# KiCad board nyx.kicad_pcb (continued)
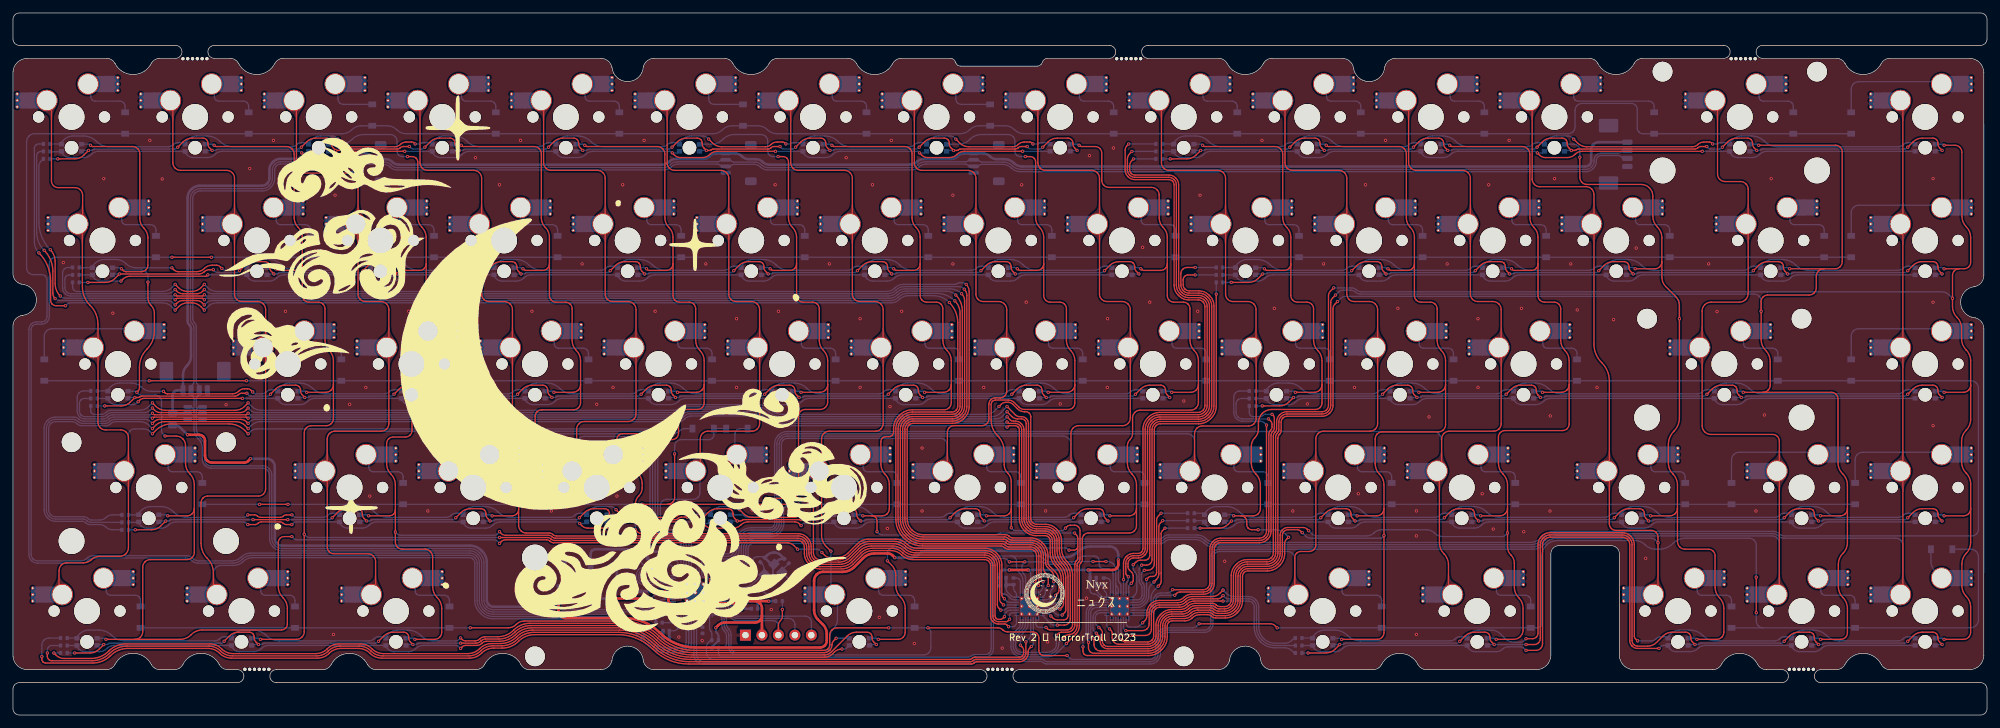
[diagram p0: board, top side]
## Routing (per net, layer and track width the routed paths; a pad name or vN(x,y) marks a point on that pad's centre or on a via; arc(x,y) is an arc through that point) (continued)
  Bottom w0.2: U4.20 167,16.57 arc(166.68,16.51) 166.4,16.32 166.4,16.32 arc(166.22,16.05) 166.15,15.72 166.15,12.58 arc(166.21,12.3) 166.37,12.05 v1(166.65,11.77) ; v1(226.26,30.72) 226.17,30.81 arc(226.09,30.87) 225.99,30.89 LED55.1 ; LED64.1 228.38,11.84 arc(228.47,11.82) 228.55,11.76 v1(228.64,11.67) ; LED42.1 235.52,49.94 arc(235.61,49.92) 235.7,49.86 v1(235.79,49.77) ; v1(231.03,68.82) 230.93,68.91 arc(230.85,68.97) 230.76,68.99 LED27.1 ; LED12.1 221.23,88.04 arc(221.33,88.02) 221.41,87.96 v1(221.5,87.87) ; v1(230.4,28.07) 230.07,27.74 arc(229.83,27.58) 229.54,27.52 220.42,27.52 arc(219.76,27.66) 219.19,28.03 219.16,28.06 arc(218.59,28.44) 217.93,28.57 210.96,28.57 arc(210.35,28.45) 209.83,28.1 209.82,28.09 arc(209.3,27.74) 208.69,27.62 201.07,27.62 arc(200.59,27.72) 200.18,27.99 v1(199.75,28.42)
SW4_1: length 194.6
  Top w0.2: 77.95,31.74 77.95,29.25 arc(78.04,28.81) 78.29,28.44 78.31,28.41 arc(78.69,28.16) 79.13,28.07 82.69,28.07 arc(82.98,28.02) 83.22,27.85 83.23,27.84 arc(83.47,27.68) 83.76,27.62 121.03,27.62 arc(121.64,27.5) 122.16,27.15 122.23,27.09 arc(122.58,26.57) 122.7,25.95 122.7,24.97 arc(122.82,24.34) 123.18,23.8 123.27,23.72 arc(123.8,23.36) 124.43,23.23 127.44,23.23 arc(128.39,23.42) 129.21,23.97 130.57,25.33 arc(131.38,25.88) 132.34,26.07 135.63,26.07 arc(136.53,25.89) 137.3,25.38 137.31,25.36 arc(138.08,24.85) 138.98,24.67 149.82,24.67 arc(150.39,24.56) 150.88,24.23 150.96,24.15 arc(151.28,23.66) 151.4,23.09 151.4,15.27 arc(151.44,15.08) 151.55,14.92 151.57,14.89 arc(151.74,14.78) 151.93,14.75 152.22,14.75 arc(152.41,14.78) 152.57,14.89 v1(152.85,15.17) ; 77.95,31.74 77.95,35.52 arc(77.77,36.4) 77.28,37.15 77.27,37.15 arc(76.78,37.89) 76.6,38.78 76.6,41.86 arc(76.68,42.24) 76.89,42.57 76.91,42.58 arc(77.23,42.8) 77.61,42.87 79.49,42.87 arc(79.87,42.95) 80.19,43.17 80.21,43.18 arc(80.42,43.5) 80.5,43.89 80.5,46.06 arc(80.58,46.44) 80.79,46.77 80.81,46.78 arc(81.13,47) 81.51,47.07 86.39,47.07 arc(86.82,47.16) 87.17,47.39 87.18,47.4 arc(87.42,47.76) 87.5,48.18 87.5,50.95 ; 77.95,31.74 arc(77.87,31.35) 77.66,31.03 77.64,31.02 arc(77.32,30.8) 76.94,30.72 v1(73.86,30.72) ; 82.7,69.59 82.7,73.7 arc(82.54,74.51) 82.08,75.19 82.07,75.21 arc(81.61,75.89) 81.45,76.69 81.45,86.57 arc(81.37,86.99) 81.13,87.34 81.12,87.35 arc(80.77,87.59) 80.34,87.67 69.44,87.67 arc(69.31,87.7) 69.2,87.77 v1(69.1,87.87) ; 82.7,69.59 82.7,64.69 arc(82.78,64.3) 82.99,63.98 83.01,63.97 arc(83.33,63.75) 83.71,63.67 85.19,63.67 arc(85.57,63.6) 85.89,63.38 85.91,63.37 arc(86.12,63.04) 86.2,62.66 86.2,57.78 arc(86.37,56.94) 86.84,56.23 86.86,56.22 arc(87.33,55.5) 87.5,54.66 87.5,50.95 ; 82.7,69.59 arc(82.62,69.2) 82.41,68.88 82.39,68.87 arc(82.07,68.65) 81.69,68.57 79.02,68.57 arc(78.89,68.6) 78.77,68.67 v1(78.63,68.82) ; 87.5,50.95 arc(87.41,50.51) 87.16,50.14 87.14,50.11 arc(86.76,49.86) 86.32,49.77 v1(83.39,49.77)
  Bottom w0.2: LED47.1 73.59,30.89 arc(73.69,30.87) 73.77,30.81 v1(73.86,30.72) ; U2.19 153.77,16.17 arc(153.43,16.1) 153.14,15.91 153.11,15.89 arc(152.92,15.59) 152.85,15.25 v1(152.85,15.17) ; LED34.1 83.12,49.94 arc(83.21,49.92) 83.3,49.86 v1(83.39,49.77) ; LED4.1 68.83,88.04 arc(68.93,88.02) 69.01,87.96 v1(69.1,87.87) ; LED19.1 78.36,68.99 arc(78.45,68.97) 78.53,68.91 v1(78.63,68.82)
SW4_2: length 260.9
  Top w0.2: 256.6,31.9 256.6,26.75 arc(256.69,26.31) 256.94,25.94 256.96,25.91 arc(257.34,25.66) 257.78,25.57 261.39,25.57 arc(261.77,25.5) 262.09,25.28 262.11,25.27 arc(262.32,24.94) 262.4,24.56 262.4,19.73 arc(262.58,18.84) 263.07,18.1 263.08,18.1 arc(263.57,17.35) 263.75,16.47 263.75,12.78 arc(263.67,12.36) 263.43,12 263.42,11.99 arc(263.07,11.76) 262.64,11.67 v1(259.6,11.67) ; 256.6,31.9 256.6,35.5 arc(256.42,36.4) 255.91,37.16 255.89,37.18 arc(255.38,37.95) 255.2,38.85 255.2,41.72 arc(255.42,42.83) 256.05,43.77 arc(256.68,44.71) 256.9,45.82 v1(256.9,61.12) 256.9,63.14 arc(256.75,63.91) 256.31,64.56 254.79,66.09 arc(254.35,66.74) 254.2,67.5 254.2,69.93 ; 256.6,31.9 arc(256.51,31.46) 256.26,31.09 256.24,31.06 arc(255.86,30.81) 255.42,30.72 v1(252.46,30.72) ; v1(167,12.62) 167.38,12.24 arc(167.54,12) 167.6,11.71 167.6,11.38 arc(167.68,10.96) 167.92,10.6 167.98,10.55 arc(168.33,10.31) 168.75,10.22 174.99,10.22 arc(175.68,10.36) 176.27,10.75 176.37,10.85 arc(176.76,11.44) 176.9,12.13 176.9,13.82 arc(177.02,14.45) 177.38,14.99 177.49,15.09 arc(178.02,15.45) 178.65,15.58 180.26,15.58 arc(180.87,15.7) 181.39,16.04 181.4,16.06 arc(181.92,16.4) 182.53,16.53 184.61,16.53 arc(184.93,16.46) 185.21,16.28 185.21,16.27 arc(185.49,16.09) 185.81,16.02 186.83,16.02 arc(187.44,16.15) 187.96,16.49 188.03,16.56 arc(188.38,17.08) 188.5,17.7 188.5,21.46 arc(188.63,22.11) 189,22.66 189.11,22.78 arc(189.66,23.14) 190.31,23.27 193.33,23.27 arc(193.94,23.4) 194.46,23.74 194.53,23.81 arc(194.88,24.33) 195,24.94 195,42.71 arc(195.06,43.01) 195.23,43.27 195.26,43.3 arc(195.44,43.56) 195.5,43.87 195.5,45.16 arc(195.57,45.5) 195.76,45.8 195.78,45.81 arc(196.07,46.01) 196.41,46.07 201.83,46.07 arc(202.44,46.2) 202.96,46.54 203.03,46.61 arc(203.38,47.13) 203.5,47.75 203.5,62.66 arc(203.58,63.04) 203.79,63.36 v1(204.2,63.77) ; v1(241.55,86.02) 241.55,82.93 arc(241.63,82.51) 241.87,82.15 arc(242.23,81.91) 242.65,81.83 251.02,81.83 arc(251.69,81.69) 252.26,81.31 252.29,81.28 arc(252.67,80.72) 252.8,80.05 252.8,76.95 arc(252.98,76.05) 253.49,75.28 253.51,75.26 arc(254.02,74.5) 254.2,73.6 254.2,69.93 ; 254.2,69.93 arc(254.12,69.51) 253.88,69.15 253.87,69.14 arc(253.52,68.91) 253.09,68.82 v1(250.08,68.82)
  Bottom w0.2: LED56.1 252.19,30.89 arc(252.28,30.87) 252.36,30.81 v1(252.46,30.72) ; LED65.1 259.33,11.84 arc(259.43,11.82) 259.51,11.76 v1(259.6,11.67) ; v1(204.2,63.77) 204.63,64.21 arc(205.04,64.48) 205.52,64.57 255.79,64.57 arc(256.22,64.49) 256.57,64.25 256.58,64.24 arc(256.82,63.89) 256.9,63.47 v1(256.9,61.12) ; LED28.1 249.81,68.99 arc(249.9,68.97) 249.98,68.91 v1(250.08,68.82) ; v1(167,12.62) 166.65,12.98 arc(166.54,13.14) 166.5,13.33 166.5,15.03 arc(166.58,15.43) 166.81,15.77 166.9,15.86 arc(167.24,16.09) 167.64,16.17 U4.19 ; v1(241.55,86.02) 241.55,87.08 arc(241.48,87.44) 241.27,87.75 241.26,87.76 arc(240.95,87.97) 240.59,88.04 LED13.1
SW5_1: length 243
  Top w0.2: v1(64.34,49.77) 67.32,49.77 arc(67.76,49.86) 68.14,50.11 68.16,50.14 arc(68.41,50.51) 68.5,50.95 ; v1(54.81,30.72) 58.03,30.72 arc(58.37,30.79) 58.66,30.99 58.69,31.01 arc(58.88,31.3) 58.95,31.65 ; 63.7,69.59 63.7,73.66 arc(63.53,74.5) 63.06,75.22 63.04,75.23 arc(62.57,75.94) 62.4,76.78 62.4,85.29 arc(62.34,85.6) 62.16,85.86 62.13,85.89 arc(61.87,86.06) 61.57,86.12 v1(60.8,86.12) ; 63.7,69.59 63.7,64.69 arc(63.78,64.3) 63.99,63.98 64.01,63.97 arc(64.33,63.75) 64.71,63.67 66.19,63.67 arc(66.57,63.6) 66.89,63.38 66.91,63.37 arc(67.12,63.04) 67.2,62.66 67.2,57.78 arc(67.37,56.94) 67.84,56.23 67.86,56.22 arc(68.33,55.5) 68.5,54.66 68.5,50.95 ; 63.7,69.59 arc(63.62,69.2) 63.41,68.88 63.39,68.87 arc(63.07,68.65) 62.69,68.57 59.97,68.57 arc(59.84,68.6) 59.72,68.67 v1(59.58,68.82) ; 68.5,50.95 68.5,48.18 arc(68.42,47.76) 68.18,47.4 68.17,47.39 arc(67.82,47.16) 67.39,47.07 62.53,47.07 arc(62.15,47) 61.82,46.78 61.81,46.77 arc(61.59,46.44) 61.51,46.06 61.51,43.89 arc(61.44,43.5) 61.22,43.18 61.21,43.17 arc(60.88,42.95) 60.5,42.87 58.61,42.87 arc(58.23,42.8) 57.91,42.58 57.89,42.57 arc(57.68,42.24) 57.6,41.86 57.6,38.78 arc(57.78,37.89) 58.27,37.15 58.28,37.15 arc(58.77,36.4) 58.95,35.52 58.95,31.65 ; v1(153.65,14.77) 153.38,14.5 arc(153.26,14.42) 153.13,14.4 151.91,14.4 arc(151.6,14.46) 151.34,14.63 151.28,14.69 arc(151.11,14.95) 151.05,15.25 151.05,23.07 arc(150.96,23.53) 150.7,23.92 150.65,23.97 arc(150.26,24.23) 149.8,24.32 138.83,24.32 arc(137.93,24.5) 137.17,25.01 137.15,25.03 arc(136.39,25.54) 135.49,25.72 132.49,25.72 arc(131.53,25.53) 130.72,24.98 129.35,23.62 arc(128.54,23.08) 127.58,22.88 124.41,22.88 arc(123.67,23.03) 123.03,23.46 122.92,23.57 arc(122.5,24.2) 122.35,24.95 122.35,25.93 arc(122.25,26.43) 121.97,26.85 121.93,26.89 arc(121.51,27.17) 121.01,27.27 83.62,27.27 arc(83.33,27.33) 83.09,27.49 83.07,27.5 arc(82.83,27.67) 82.54,27.72 75.96,27.72 arc(75.58,27.8) 75.26,28.02 v1(75,28.27) ; v1(61.96,11.67) 64.99,11.67 arc(65.42,11.76) 65.77,11.99 65.78,12 arc(66.02,12.36) 66.1,12.78 66.1,16.45 arc(65.92,17.35) 65.41,18.11 65.39,18.13 arc(64.88,18.9) 64.7,19.8 64.7,24.4 arc(64.61,24.84) 64.36,25.21 64.34,25.24 arc(63.96,25.48) 63.52,25.57 60.06,25.57 arc(59.63,25.66) 59.28,25.89 59.27,25.9 arc(59.03,26.26) 58.95,26.68 v1(58.95,28.22) 58.95,31.65
  Bottom w0.2: LED18.1 59.31,68.99 arc(59.4,68.97) 59.48,68.91 v1(59.58,68.82) ; v1(153.65,14.77) 153.65,15.36 arc(153.68,15.51) 153.77,15.64 153.78,15.66 arc(153.91,15.74) 154.07,15.77 U2.18 ; v1(58.95,28.22) 59.23,27.94 arc(59.47,27.78) 59.76,27.72 74.14,27.72 arc(74.43,27.78) 74.67,27.94 v1(75,28.27) ; v1(64.34,49.77) 64.25,49.86 arc(64.16,49.92) 64.07,49.94 LED33.1 ; LED3.1 50.5,88.04 arc(51.46,88.23) 52.27,88.77 52.29,88.79 arc(53.1,89.33) 54.06,89.52 58.19,89.52 arc(58.57,89.45) 58.89,89.23 58.91,89.22 arc(59.12,88.89) 59.2,88.51 59.2,86.97 arc(59.26,86.65) 59.45,86.37 59.45,86.37 arc(59.73,86.19) 60.05,86.12 v1(60.8,86.12) ; v1(54.81,30.72) 54.72,30.81 arc(54.64,30.87) 54.54,30.89 LED46.1 ; v1(61.96,11.67) 61.86,11.76 arc(61.78,11.82) 61.69,11.84 LED61.1
SW5_2: length 295.7
  Top w0.2: v1(203.9,64.77) 203.44,64.31 arc(203.23,63.99) 203.15,63.61 203.15,47.77 arc(203.05,47.27) 202.77,46.85 202.73,46.8 arc(202.3,46.52) 201.81,46.42 196.39,46.42 arc(195.93,46.33) 195.54,46.07 195.5,46.03 arc(195.24,45.64) 195.15,45.18 195.15,44.01 arc(195.09,43.71) 194.91,43.45 194.88,43.42 arc(194.71,43.16) 194.65,42.85 194.65,24.96 arc(194.55,24.47) 194.27,24.05 194.23,24 arc(193.8,23.72) 193.31,23.62 190.29,23.62 arc(189.52,23.47) 188.88,23.04 188.74,22.9 arc(188.3,22.25) 188.15,21.48 188.15,17.72 arc(188.05,17.22) 187.77,16.8 187.73,16.75 arc(187.3,16.47) 186.81,16.37 185.96,16.37 arc(185.63,16.44) 185.36,16.62 185.35,16.63 arc(185.08,16.81) 184.75,16.88 182.39,16.88 arc(181.78,16.75) 181.26,16.41 181.24,16.39 arc(180.72,16.05) 180.11,15.92 178.63,15.92 arc(177.89,15.78) 177.25,15.35 177.12,15.22 arc(176.7,14.59) 176.55,13.84 176.55,12.15 arc(176.43,11.57) 176.11,11.09 176.03,11.01 arc(175.55,10.69) 174.97,10.57 168.78,10.57 arc(168.47,10.63) 168.21,10.81 168.18,10.83 arc(168.01,11.09) 167.95,11.4 167.95,12.66 arc(167.89,12.95) 167.73,13.19 v1(167.4,13.52) ; 279.18,68.82 280.89,68.82 arc(281.32,68.91) 281.67,69.14 281.68,69.15 arc(281.92,69.51) 282,69.93 282,86.86 arc(281.92,87.24) 281.71,87.57 281.69,87.58 arc(281.37,87.8) 280.99,87.87 v1(269.13,87.87) ; 279.18,68.82 v1(273.89,68.82) ; 279.18,68.82 arc(278.74,68.73) 278.36,68.49 278.34,68.46 arc(278.09,68.09) 278,67.65 278,65.88 arc(277.92,65.46) 277.68,65.1 277.67,65.09 arc(277.32,64.86) 276.89,64.77 270.51,64.77 arc(270.13,64.7) 269.81,64.48 269.79,64.47 arc(269.58,64.14) 269.5,63.76 v1(269.5,62.27) 269.5,57.9 arc(269.68,57) 270.19,56.23 270.21,56.21 arc(270.72,55.45) 270.9,54.55 270.9,50.88 arc(270.82,50.46) 270.58,50.1 270.57,50.09 arc(270.22,49.86) 269.79,49.77 ; v1(278.65,11.67) 281.79,11.67 arc(282.17,11.75) 282.49,11.97 282.51,11.98 arc(282.72,12.3) 282.8,12.69 282.8,16.45 arc(282.62,17.35) 282.11,18.11 282.09,18.13 arc(281.58,18.9) 281.4,19.8 281.4,23.25 arc(281.58,24.15) 282.09,24.91 282.11,24.93 arc(282.62,25.7) 282.8,26.6 282.8,31.83 ; 269.79,49.77 280.34,49.77 arc(280.72,49.7) 281.04,49.48 281.06,49.47 arc(281.27,49.14) 281.35,48.76 281.35,38.94 arc(281.54,38) 282.07,37.2 282.08,37.19 arc(282.61,36.4) 282.8,35.46 282.8,31.83 ; 269.79,49.77 v1(266.74,49.77) ; v1(278.65,30.72) 281.69,30.72 arc(282.12,30.81) 282.47,31.04 282.48,31.05 arc(282.72,31.41) 282.8,31.83
  Bottom w0.2: v1(269.5,62.27) 269.5,63.82 arc(269.42,64.24) 269.18,64.59 269.17,64.6 arc(268.82,64.84) 268.39,64.92 207.67,64.92 arc(207.29,65) 206.96,65.21 206.95,65.23 arc(206.62,65.45) 206.24,65.52 205.06,65.52 arc(204.68,65.45) 204.36,65.23 v1(203.9,64.77) ; LED66.1 278.38,11.84 arc(278.48,11.82) 278.56,11.76 v1(278.65,11.67) ; v1(269.13,87.87) 269.03,87.96 arc(268.95,88.02) 268.86,88.04 LED14.1 ; v1(266.74,49.77) 266.65,49.86 arc(266.57,49.92) 266.48,49.94 LED43.1 ; U4.18 167.61,15.77 arc(167.32,15.72) 167.08,15.55 167.07,15.54 arc(166.91,15.3) 166.85,15.01 166.85,14.38 arc(166.91,14.1) 167.07,13.85 v1(167.4,13.52) ; v1(273.89,68.82) 273.8,68.91 arc(273.71,68.97) 273.62,68.99 LED29.1 ; v1(278.65,30.72) 278.56,30.81 arc(278.48,30.87) 278.38,30.89 LED57.1
SW6_1: length 241.2
  Top w0.2: 49.4,50.95 49.4,54.66 arc(49.23,55.5) 48.76,56.22 48.74,56.23 arc(48.27,56.94) 48.1,57.78 48.1,62.66 arc(48.02,63.04) 47.81,63.37 47.79,63.38 arc(47.47,63.6) 47.09,63.67 45.61,63.67 arc(45.23,63.75) 44.91,63.97 44.89,63.98 arc(44.68,64.3) 44.6,64.69 44.6,69.59 ; 49.4,50.95 49.4,45.73 arc(49.32,45.31) 49.08,44.95 49.07,44.94 arc(48.72,44.71) 48.29,44.62 46.01,44.62 arc(45.58,44.54) 45.23,44.3 45.22,44.29 arc(44.98,43.94) 44.9,43.52 v1(44.9,27.87) 44.9,12.85 arc(44.81,12.41) 44.56,12.04 44.54,12.01 arc(44.16,11.76) 43.72,11.67 v1(38.14,11.67) ; 49.4,50.95 arc(49.31,50.51) 49.06,50.14 49.04,50.11 arc(48.66,49.86) 48.22,49.77 v1(45.29,49.77) ; v1(75,27.37) 82.4,27.37 arc(82.69,27.32) 82.93,27.15 82.94,27.14 arc(83.19,26.98) 83.47,26.92 96,26.92 120.99,26.92 arc(121.37,26.85) 121.7,26.63 121.71,26.62 arc(121.92,26.3) 122,25.91 122,24.93 arc(122.17,24.07) 122.66,23.34 122.8,23.19 arc(123.53,22.71) 124.39,22.54 127.73,22.54 arc(128.68,22.73) 129.5,23.27 130.86,24.64 arc(131.67,25.18) 132.63,25.37 135.34,25.37 arc(136.24,25.19) 137.01,24.68 137.02,24.66 arc(137.79,24.15) 138.69,23.97 149.78,23.97 arc(150.12,23.9) 150.41,23.71 150.44,23.69 arc(150.63,23.39) 150.7,23.05 150.7,15.23 arc(150.78,14.81) 151.02,14.46 151.11,14.37 arc(151.46,14.13) 151.89,14.05 152.87,14.05 arc(153.06,14.01) 153.22,13.9 v1(153.5,13.62) ; v1(31,87.87) 31.1,87.77 arc(31.21,87.7) 31.34,87.67 42.17,87.67 arc(42.61,87.58) 42.99,87.34 43.01,87.31 arc(43.26,86.94) 43.35,86.5 43.35,76.69 arc(43.51,75.89) 43.97,75.21 43.98,75.19 arc(44.44,74.51) 44.6,73.7 44.6,69.59 ; 44.6,69.59 arc(44.52,69.2) 44.31,68.88 44.29,68.87 arc(43.97,68.65) 43.59,68.57 40.92,68.57 arc(40.79,68.6) 40.67,68.67 v1(40.53,68.82)
  Bottom w0.2: v1(44.9,27.87) 45.18,27.59 arc(45.42,27.43) 45.71,27.37 v1(75,27.37) ; v1(45.29,49.77) 45.2,49.86 arc(45.11,49.92) 45.02,49.94 LED32.1 ; v1(40.53,68.82) 40.43,68.91 arc(40.35,68.97) 40.26,68.99 LED17.1 ; LED60.1 37.88,11.84 arc(37.97,11.82) 38.05,11.76 v1(38.14,11.67) ; U2.17 154.7,14.2 arc(154.66,13.99) 154.54,13.81 154.51,13.78 arc(154.33,13.66) 154.12,13.62 v1(153.5,13.62) ; LED2.1 30.73,88.04 arc(30.83,88.02) 30.91,87.96 v1(31,87.87)
SW6_2: length 289.2
  Top w0.2: v1(203.6,65.87) 203.09,65.37 arc(202.88,65.04) 202.8,64.66 202.8,47.79 arc(202.72,47.4) 202.51,47.08 202.49,47.07 arc(202.17,46.85) 201.79,46.77 196.37,46.77 arc(195.8,46.66) 195.31,46.33 195.24,46.26 arc(194.91,45.77) 194.8,45.2 194.8,44.16 arc(194.74,43.85) 194.56,43.59 194.53,43.56 arc(194.36,43.3) 194.3,43 194.3,24.99 arc(194.22,24.6) 194.01,24.28 193.99,24.27 arc(193.67,24.05) 193.29,23.97 190.27,23.97 arc(189.39,23.8) 188.64,23.3 188.47,23.13 arc(187.98,22.38) 187.8,21.5 187.8,17.74 arc(187.72,17.35) 187.51,17.03 187.49,17.02 arc(187.17,16.8) 186.79,16.72 186.1,16.72 arc(185.78,16.79) 185.5,16.97 185.5,16.98 arc(185.22,17.16) 184.9,17.23 182.24,17.23 arc(181.63,17.1) 181.11,16.76 181.1,16.74 arc(180.58,16.4) 179.97,16.27 178.61,16.27 arc(177.75,16.1) 177.02,15.62 176.86,15.45 arc(176.37,14.72) 176.2,13.86 176.2,12.17 arc(176.11,11.71) 175.85,11.32 175.8,11.27 arc(175.41,11.01) 174.95,10.92 170.46,10.92 arc(170.08,11) 169.76,11.22 169.74,11.23 arc(169.53,11.55) 169.45,11.94 169.45,12.67 arc(169.41,12.86) 169.3,13.02 v1(169.05,13.27) ; v1(297.7,49.77) 300.69,49.77 arc(301.12,49.86) 301.47,50.09 301.48,50.1 arc(301.72,50.46) 301.8,50.88 ; v1(297.7,87.87) 299.37,87.87 arc(299.77,87.79) 300.11,87.56 300.14,87.53 arc(300.37,87.19) 300.45,86.79 300.45,76.93 arc(300.63,76.04) 301.12,75.3 301.13,75.3 arc(301.62,74.55) 301.8,73.67 301.8,69.84 arc(301.72,69.45) 301.51,69.13 301.49,69.12 arc(301.17,68.9) 300.79,68.82 300.01,68.82 ; 300.01,68.82 v1(297.7,68.82) ; 300.01,68.82 arc(299.63,68.75) 299.31,68.53 299.29,68.52 arc(299.08,68.19) 299,67.81 v1(299,64.27) 299,63 arc(299.18,62.1) 299.69,61.33 299.71,61.31 arc(300.22,60.55) 300.4,59.65 300.4,58 arc(300.58,57.1) 301.09,56.33 301.11,56.31 arc(301.62,55.55) 301.8,54.65 301.8,50.88 ; 301.8,50.88 301.8,45.6 arc(301.62,44.7) 301.11,43.93 301.09,43.91 arc(300.58,43.15) 300.4,42.25 300.4,39 arc(300.58,38.1) 301.09,37.33 301.11,37.31 arc(301.62,36.55) 301.8,35.65 301.8,31.83 ; v1(297.7,11.67) 300.69,11.67 arc(301.12,11.76) 301.47,11.99 301.48,12 arc(301.72,12.36) 301.8,12.78 301.8,16.67 arc(301.62,17.55) 301.13,18.3 301.12,18.3 arc(300.63,19.04) 300.45,19.93 300.45,23.32 arc(300.63,24.2) 301.12,24.95 301.13,24.95 arc(301.62,25.69) 301.8,26.58 301.8,31.83 ; 301.8,31.83 arc(301.72,31.41) 301.48,31.05 301.47,31.04 arc(301.12,30.81) 300.69,30.72 v1(297.7,30.72)
  Bottom w0.2: v1(297.7,68.82) 297.61,68.91 arc(297.53,68.97) 297.43,68.99 LED30.1 ; v1(297.7,49.77) 297.61,49.86 arc(297.53,49.92) 297.43,49.94 LED44.1 ; v1(169.05,13.27) 168.75,13.58 arc(168.64,13.74) 168.6,13.93 U4.17 ; LED15.1 297.43,88.04 arc(297.53,88.02) 297.61,87.96 v1(297.7,87.87) ; LED67.1 297.43,11.84 arc(297.53,11.82) 297.61,11.76 v1(297.7,11.67) ; v1(299,64.27) 298.51,64.76 arc(297.94,65.14) 297.28,65.27 270.44,65.27 207.82,65.27 arc(207.43,65.35) 207.11,65.56 207.09,65.58 arc(206.77,65.8) 206.39,65.87 v1(203.6,65.87) ; v1(297.7,30.72) 297.61,30.81 arc(297.53,30.87) 297.43,30.89 LED58.1
SW7_1: length 143.8
  Top w0.2: 182.75,50.95 182.75,54.66 arc(182.58,55.5) 182.11,56.22 182.09,56.23 arc(181.62,56.94) 181.45,57.78 181.45,62.66 arc(181.37,63.04) 181.16,63.37 181.14,63.38 arc(180.82,63.6) 180.44,63.67 178.96,63.67 arc(178.58,63.75) 178.26,63.97 178.24,63.98 arc(178.03,64.3) 177.95,64.69 177.95,69.59 ; 182.75,50.95 182.75,48.22 arc(182.66,47.76) 182.4,47.37 arc(182.01,47.11) 181.55,47.02 173.77,47.02 arc(173.33,46.93) 172.96,46.68 172.94,46.66 arc(172.69,46.29) 172.6,45.85 172.6,43.43 arc(172.5,42.91) 172.2,42.48 172.2,42.47 arc(171.9,42.03) 171.8,41.51 171.8,38.85 arc(171.98,37.95) 172.49,37.18 172.51,37.16 arc(173.02,36.4) 173.2,35.5 173.2,31.83 ; 182.75,50.95 arc(182.66,50.51) 182.41,50.14 182.39,50.11 arc(182.01,49.86) 181.57,49.77 v1(178.64,49.77) ; 173.2,31.83 173.2,29.18 arc(173.12,28.76) 172.88,28.4 172.87,28.39 arc(172.52,28.16) 172.09,28.07 165.77,28.07 arc(165.43,28) 165.14,27.81 165.11,27.78 arc(164.92,27.49) 164.85,27.15 164.85,23.98 arc(164.79,23.7) 164.63,23.45 164.62,23.44 arc(164.45,23.2) 164.4,22.91 164.4,13.76 arc(164.26,13.08) 163.87,12.49 v1(162.4,11.02) ; 173.2,31.83 arc(173.12,31.41) 172.88,31.05 172.87,31.04 arc(172.52,30.81) 172.09,30.72 v1(169.11,30.72) ; 177.95,69.59 177.95,73.7 arc(177.79,74.51) 177.33,75.19 177.32,75.21 arc(176.86,75.89) 176.7,76.69 176.7,80.2 arc(176.61,80.64) 176.36,81.01 176.34,81.04 arc(175.96,81.29) 175.52,81.37 168.96,81.37 arc(168.53,81.46) 168.18,81.7 168.17,81.7 arc(167.93,82.06) 167.85,82.48 167.85,86.66 arc(167.77,87.04) 167.56,87.37 167.54,87.38 arc(167.22,87.6) 166.84,87.67 164.69,87.67 arc(164.56,87.7) 164.45,87.77 v1(164.35,87.87) ; 177.95,69.59 arc(177.87,69.2) 177.66,68.88 177.64,68.87 arc(177.32,68.65) 176.94,68.57 174.27,68.57 arc(174.14,68.6) 174.02,68.67 v1(173.88,68.82)
  Bottom w0.2: v1(169.11,30.72) 169.02,30.81 arc(168.94,30.87) 168.84,30.89 LED52.1 ; v1(162.4,11.02) 161.01,9.63 arc(160.28,9.14) 159.42,8.97 155.43,8.97 arc(154.86,9.09) 154.37,9.41 154.29,9.49 arc(153.97,9.98) 153.85,10.55 153.85,11.39 arc(154.01,12.19) 154.47,12.87 155.01,13.41 arc(155.22,13.74) 155.3,14.12 U2.16 ; LED9.1 164.08,88.04 arc(164.18,88.02) 164.26,87.96 v1(164.35,87.87) ; LED39.1 178.37,49.94 arc(178.46,49.92) 178.55,49.86 v1(178.64,49.77) ; LED24.1 173.61,68.99 arc(173.7,68.97) 173.78,68.91 v1(173.88,68.82)
SW8_1: length 154.1
  Top w0.2: v1(161.85,11.82) 162.16,12.13 arc(162.48,12.35) 162.86,12.42 162.89,12.42 arc(163.27,12.5) 163.6,12.72 163.61,12.72 arc(163.93,13.21) 164.05,13.78 164.05,23.06 arc(164.1,23.34) 164.27,23.59 164.28,23.6 arc(164.44,23.84) 164.5,24.13 164.5,28.44 arc(164.44,28.75) 164.26,29.01 164.23,29.04 arc(163.97,29.21) 163.67,29.27 163.01,29.27 arc(162.72,29.22) 162.48,29.05 v1(162.25,28.82) ; v1(156.05,86.12) 156.82,86.12 arc(157.12,86.06) 157.38,85.89 157.42,85.86 arc(157.59,85.6) 157.65,85.29 157.65,76.69 arc(157.81,75.89) 158.27,75.21 158.28,75.19 arc(158.74,74.51) 158.9,73.7 158.9,69.59 ; v1(154.83,68.82) 154.97,68.67 arc(155.09,68.6) 155.22,68.57 157.89,68.57 arc(158.27,68.65) 158.59,68.87 158.61,68.88 arc(158.82,69.2) 158.9,69.59 ; 163.7,50.95 163.7,54.66 arc(163.53,55.5) 163.06,56.22 163.04,56.23 arc(162.57,56.94) 162.4,57.78 162.4,62.66 arc(162.32,63.04) 162.11,63.37 162.09,63.38 arc(161.77,63.6) 161.39,63.67 159.91,63.67 arc(159.53,63.75) 159.21,63.97 159.19,63.98 arc(158.98,64.3) 158.9,64.69 158.9,69.59 ; 163.7,50.95 163.7,48.14 arc(163.62,47.75) 163.41,47.43 163.39,47.42 arc(163.07,47.2) 162.69,47.12 155.96,47.12 arc(155.48,47.22) 155.08,47.49 154.38,48.19 arc(153.95,48.47) 153.46,48.57 151.46,48.57 arc(151.21,48.52) 151,48.38 150.99,48.37 arc(150.85,48.16) 150.8,47.91 150.8,45.48 arc(151.06,44.18) 151.8,43.08 151.8,43.07 arc(152.54,41.97) 152.8,40.66 152.8,38.64 arc(152.94,37.93) 153.34,37.33 153.36,37.31 arc(153.76,36.71) 153.9,36.01 153.9,31.83 ; 163.7,50.95 arc(163.61,50.51) 163.36,50.14 163.34,50.11 arc(162.96,49.86) 162.52,49.77 v1(159.59,49.77) ; v1(150.06,30.72) 152.79,30.72 arc(153.22,30.81) 153.57,31.04 153.58,31.05 arc(153.82,31.41) 153.9,31.83 ; 153.9,31.83 v1(153.9,28.87)
  Bottom w0.2: v1(150.06,30.72) 149.97,30.81 arc(149.89,30.87) 149.79,30.89 LED51.1 ; U2.15 155.7,14.15 arc(155.6,13.65) 155.32,13.23 154.73,12.64 arc(154.34,12.05) 154.2,11.37 154.2,10.57 arc(154.29,10.12) 154.55,9.73 154.6,9.67 arc(154.99,9.41) 155.45,9.32 159.4,9.32 arc(160.14,9.47) 160.78,9.89 160.82,9.94 arc(161.1,10.36) 161.2,10.85 161.2,10.86 arc(161.26,11.15) 161.42,11.39 v1(161.85,11.82) ; v1(162.25,28.82) 162,28.57 arc(161.83,28.46) 161.64,28.42 154.56,28.42 arc(154.37,28.46) 154.2,28.57 v1(153.9,28.87) ; v1(156.05,86.12) 155.3,86.12 arc(154.98,86.19) 154.7,86.37 154.7,86.37 arc(154.51,86.65) 154.45,86.97 154.45,88.51 arc(154.37,88.89) 154.16,89.22 154.14,89.23 arc(153.82,89.45) 153.44,89.52 149.31,89.52 arc(148.35,89.33) 147.54,88.79 147.52,88.77 arc(146.71,88.23) 145.75,88.04 LED8.1 ; v1(154.83,68.82) 154.73,68.91 arc(154.65,68.97) 154.56,68.99 LED23.1 ; v1(159.59,49.77) 159.5,49.86 arc(159.41,49.92) 159.32,49.94 LED38.1
SW9_1: length 214.5
  Top w0.2: v1(133.2,28.27) 133.2,29.96 arc(133.14,30.25) 132.98,30.49 132.97,30.5 arc(132.73,30.67) 132.44,30.72 ; 132.44,30.72 133.99,30.72 arc(134.42,30.81) 134.77,31.04 134.78,31.05 arc(135.02,31.41) 135.1,31.83 135.1,35.56 arc(134.93,36.4) 134.46,37.12 134.44,37.13 arc(133.97,37.84) 133.8,38.68 133.8,42.16 arc(133.86,42.45) 134.02,42.69 134.03,42.7 arc(134.27,42.87) 134.56,42.92 135,42.92 arc(135.29,42.98) 135.53,43.14 arc(135.69,43.39) 135.75,43.67 135.75,44.18 arc(135.96,45.21) 136.54,46.09 136.74,46.29 arc(137.61,46.87) 138.65,47.08 143.55,47.08 arc(143.97,47.16) 144.33,47.4 144.33,47.4 arc(144.57,47.76) 144.65,48.18 144.65,50.95 ; 132.44,30.72 v1(131.01,30.72) ; 144.65,50.95 144.65,54.66 arc(144.48,55.5) 144.01,56.22 143.99,56.23 arc(143.52,56.94) 143.35,57.78 143.35,62.66 arc(143.27,63.04) 143.06,63.37 143.04,63.38 arc(142.72,63.6) 142.34,63.67 140.86,63.67 arc(140.48,63.75) 140.16,63.97 140.14,63.98 arc(139.93,64.3) 139.85,64.69 139.85,69.59 ; 144.65,50.95 arc(144.56,50.51) 144.31,50.14 144.29,50.11 arc(143.91,49.86) 143.47,49.77 v1(140.54,49.77) ; 139.85,69.59 139.85,73.7 arc(139.69,74.51) 139.23,75.19 139.22,75.21 arc(138.76,75.89) 138.6,76.69 138.6,86.57 arc(138.52,86.99) 138.28,87.34 138.27,87.35 arc(137.92,87.59) 137.49,87.67 126.59,87.67 arc(126.46,87.7) 126.35,87.77 v1(126.25,87.87) ; 139.85,69.59 arc(139.77,69.2) 139.56,68.88 139.54,68.87 arc(139.22,68.65) 138.84,68.57 136.17,68.57 arc(136.04,68.6) 135.92,68.67 v1(135.78,68.82) ; v1(134.8,23.77) 135.44,23.13 arc(135.93,22.4) 136.1,21.54 136.1,19.94 arc(136.29,19) 136.82,18.2 136.83,18.19 arc(137.36,17.4) 137.55,16.46 137.55,12.78 arc(137.47,12.36) 137.23,12 137.22,11.99 arc(136.87,11.76) 136.44,11.67 v1(133.39,11.67) ; 164.15,26 164.15,27.26 arc(164.09,27.55) 163.93,27.79 v1(163.65,28.07) ; 164.15,26 164.15,24.27 arc(164.09,23.99) 163.93,23.74 163.92,23.73 arc(163.75,23.49) 163.7,23.2 163.7,13.93 arc(163.61,13.51) 163.37,13.15 163.32,13.09 arc(162.96,12.86) 162.54,12.77 161.66,12.77 arc(161.37,12.72) 161.13,12.55 v1(160.85,12.27) ; 164.15,26 arc(164.11,25.79) 163.99,25.61 163.96,25.58 arc(163.78,25.46) 163.57,25.42 v1(162.8,25.42)
  Bottom w0.2: v1(140.54,49.77) 140.45,49.86 arc(140.36,49.92) 140.27,49.94 LED37.1 ; LED7.1 125.98,88.04 arc(126.08,88.02) 126.16,87.96 v1(126.25,87.87) ; U2.14 156.1,14.18 arc(155.98,13.57) 155.63,13.05 154.99,12.41 arc(154.66,11.92) 154.55,11.35 154.55,10.6 arc(154.62,10.25) 154.81,9.96 154.84,9.93 arc(155.13,9.74) 155.47,9.67 159.38,9.67 arc(160.01,9.8) 160.54,10.15 160.56,10.17 arc(160.77,10.49) 160.85,10.88 v1(160.85,12.27) ; v1(133.2,28.27) 133.48,27.99 arc(133.72,27.83) 134.01,27.77 151.49,27.77 arc(151.68,27.81) 151.85,27.92 151.85,27.93 arc(152.02,28.03) 152.21,28.07 v1(163.65,28.07) ; v1(133.39,11.67) 133.3,11.76 arc(133.22,11.82) 133.13,11.84 LED62.1 ; LED22.1 135.51,68.99 arc(135.6,68.97) 135.68,68.91 v1(135.78,68.82) ; v1(131.01,30.72) 130.92,30.81 arc(130.84,30.87) 130.74,30.89 LED50.1 ; v1(162.8,25.42) 162.55,25.67 arc(162.44,25.75) 162.31,25.77 135.72,25.77 arc(135.38,25.7) 135.09,25.51 135.06,25.49 arc(134.87,25.19) 134.8,24.85 v1(134.8,23.77)
SWCLK: length 18.9
  Bottom w0.2: J2.5 123.08,14.3 arc(123.01,14.66) 122.8,14.97 122.8,14.97 arc(122.49,15.18) 122.13,15.25 111.7,15.25 arc(111.46,15.3) 111.24,15.44 111.23,15.46 arc(111.08,15.67) 111.03,15.92 111.03,16.82 arc(110.95,17.22) 110.73,17.56 110.71,17.58 arc(110.37,17.81) 109.96,17.88 U3.24
SWDIO: length 15.9
  Bottom w0.2: U3.25 109.91,17.48 arc(110.23,17.42) 110.5,17.24 arc(110.64,17.03) 110.69,16.79 110.69,15.9 arc(110.76,15.54) 110.96,15.23 111.01,15.18 arc(111.32,14.97) 111.68,14.9 119.58,14.9 arc(119.95,14.83) 120.26,14.62 120.26,14.62 arc(120.47,14.31) 120.54,13.95 J2.4
